# Altium PCB cyber60-smk-B2.PcbDoc (part 4 of 4)
Units mm, origin at the board's own origin, x right, y up, seen from the top; angles counter-clockwise.
Board outline 284.7 x 94.21 mm, 2 copper layers (Component Side, Bottom Layer), stack 1.571 mm thick; 221 components, 135 nets, 913 pads, 306 vias.
Unrouted connection lines stored in the file: 51.
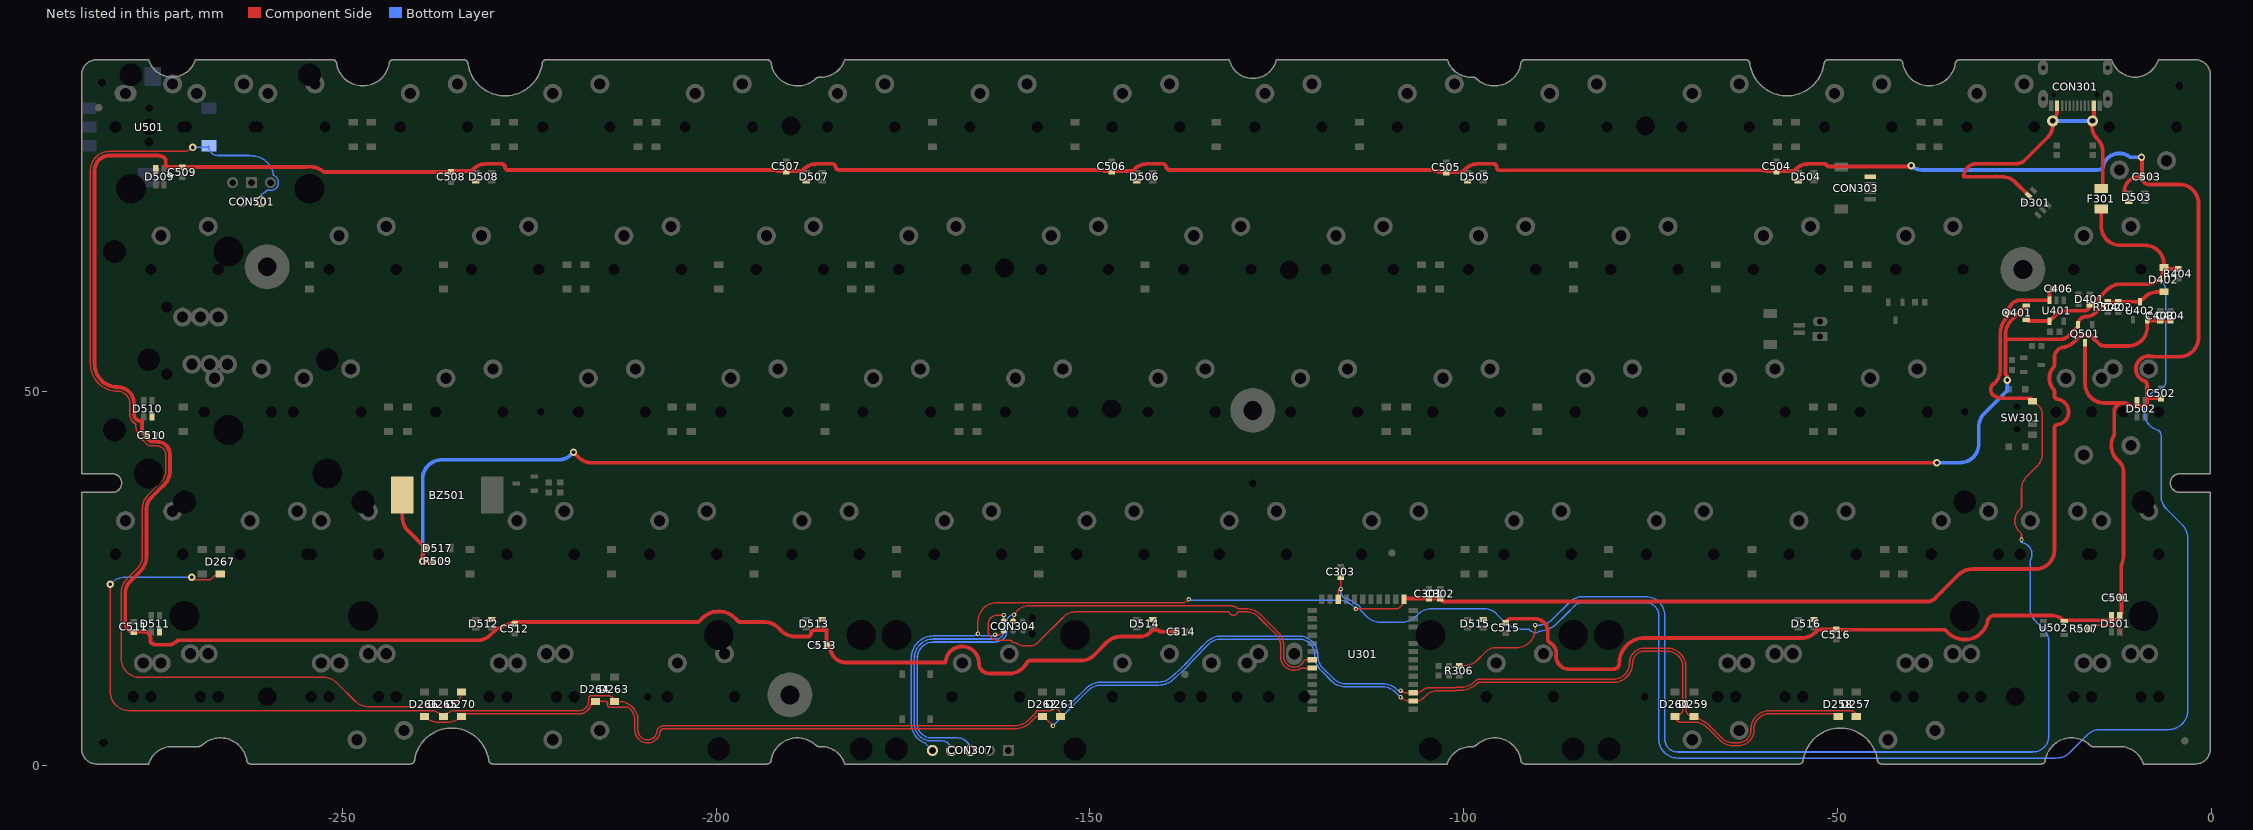
[diagram p4: the nets of this part, all layers, seen from the top]

## Via types
v1: diameter 1, hole 0.5, Component Side to Bottom Layer, tented both sides, 161 vias
v2: diameter 0.6, hole 0.3, Component Side to Bottom Layer, tented both sides, 139 vias
v3: diameter 1.5, hole 0.8, Component Side to Bottom Layer, tented both sides, 4 vias
v4: diameter 1.5, hole 0.75, Component Side to Bottom Layer, tented both sides, 2 vias

## Nets (pads, with @x,y where several pads share a name; then routed paths per layer and width w, separated by ;. In a path a pad name is that pad's centre, name@x,y a point inside that pad or via, vN(x,y) a via of type N, cw(c..) or ccw(c..) an arc to the next point about the centre after c; other vN are vias at no path point) (continued)
P1.10: D257.2 D259.2 D261.2 D263.2 D265.2 D267.2 U301.3 | length 295.4
  Component Side w0.203: v1(-281.051,24.257) -281.051,9.902 ccw(c-278.511,9.902) -278.511,7.362 -238.308,7.362 cw(c-238.308,4.822) -236.512,6.618 D265.2@-236.474,6.58 -236.414,6.64 cw(c-234.671,4.897) -234.671,7.362 -218.284,7.362 ccw(c-218.284,8.58) -217.066,8.58 -217.066,9.035 cw(c-216.764,9.035) -216.764,9.337 -214.371,9.337 cw(c-214.371,8.58) D263.2@-213.614,8.58 -212.99,8.58 cw(c-212.99,6.04) -210.45,6.04 -210.45,4.715 ccw(c-209.169,4.715) -207.916,4.449 cw(c-207.031,4.449) -207.889,4.666 cw(c-207.031,4.449) -207.031,5.334 -160.027,5.334 ccw(c-160.027,7.874) -158.231,6.078 -157.292,7.017 ccw(c-157.436,7.16) -157.274,7.038 ccw(c-157.436,7.16) -157.239,7.11 cw(c-156.947,7.035) -157.019,7.328 ccw(c-157.068,7.525) -156.953,7.358 -156.948,7.361 -155.326,7.361 ccw(c-155.326,7.747) v2(-154.94,7.747) cw(c-154.94,6.731) -153.924,6.731 D261.2@-153.924,6.58 ; v1(-270.117,25.196) ccw(c-269.278,26.035) -269.413,24.856 ccw(c-269.278,26.035) -269.278,24.848 -267.97,24.848 ccw(c-267.97,25.662) -267.395,25.086 -267.081,25.4 cw(c-266.526,24.845) -266.526,25.63 D267.2@-266.319,25.63 ; v2(-108.458,10.033) ccw(c-107.775,10.716) -107.775,9.75 U301.3@-107.25,9.75 ; U301.3@-106.75,9.75 -106.249,9.75 ccw(c-106.249,10.716) -105.566,10.033 cw(c-104.567,9.034) -105.179,10.307 cw(c-104.567,9.034) -104.567,10.447 -101.473,10.447 -101.092,10.447 ccw(c-101.092,10.85) -101.091,10.447 ccw(c-101.092,10.85) -101.018,10.454 cw(c-100.981,10.254) -100.98,10.457 -100.562,10.457 ccw(c-100.562,13.567) -98.969,10.896 ccw(c-100.562,13.567) -98.362,11.369 -98.255,11.475 cw(c-98.112,11.332) -98.196,11.516 cw(c-98.112,11.332) -98.112,11.535 -80.01,11.535 ccw(c-80.01,13.715) -78.468,12.174 ccw(c-80.01,13.715) -77.83,13.715 cw(c-75.819,13.715) -77.733,14.332 ccw(c-77.926,14.396) -77.733,14.333 cw(c-75.819,13.715) -75.944,15.722 ; -75.944,15.722 cw(c-75.819,13.715) -75.659,15.72 ccw(c-75.519,17.585) -75.519,15.715 -72.633,15.715 cw(c-72.632,15.511) -72.614,15.714 cw(c-72.822,13.182) -70.282,13.182 -70.282,7.492 ccw(c-69.37,7.492) -69.37,6.58 D259.2@-69.215,6.58 -68.425,6.184 cw(c-68.605,5.823) -68.416,6.18 -67.866,5.89 cw(c-69.233,3.283) -67.152,5.365 -67.025,5.238 -65.882,4.095 -65.483,3.696 ccw(c-63.972,5.207) -63.972,3.07 -63.224,3.07 ccw(c-63.224,4.445) -62.465,3.298 cw(c-62.353,3.129) -62.445,3.31 ccw(c-63.15,4.715) -61.611,4.396 ccw(c-63.15,4.715) -61.6,4.978 cw(c-61.4,5.012) -61.602,5.029 cw(c-59.071,4.822) -59.071,7.362 -48.28,7.362 cw(c-48.28,6.58) D257.2@-47.498,6.58
  Bottom Layer w0.203: v1@-280.856,24.452 cw(c-279.06,22.656) -279.06,25.196 v1(-270.117,25.196) ; v2(-154.94,7.747) -154.153,7.747 ccw(c-154.153,10.287) -152.357,8.491 -150.534,10.315 cw(c-148.453,8.233) -148.453,11.176 -140.814,11.176 ccw(c-140.814,13.716) -139.018,11.92 -138.776,12.14 -137.685,13.127 ccw(c-139.35,14.965) -137.545,13.264 -137.195,13.636 -135.533,15.397 -135.311,15.627 cw(c-135.165,15.486) -135.309,15.63 -134.467,16.471 cw(c-132.387,14.389) -132.387,17.332 -122.047,17.332 cw(c-122.047,14.792) -119.507,14.792 -119.507,14.605 ccw(c-117.361,14.605) -118.879,13.087 -117.361,11.57 ccw(c-115.85,13.081) -117.348,11.557 ccw(c-115.85,13.081) -115.85,10.944 -110.843,10.944 cw(c-110.843,8.156) -108.871,10.127 -108.836,10.092 ccw(c-108.693,10.236) -108.693,10.033 v2(-108.458,10.033)
P1.11: D258.2 D260.2 D262.2 D264.2 D266.2 D270.2 U301.2 | length 223.3
  Component Side w0.203: D266.2@-239.014,6.58 -238.976,6.542 ccw(c-237.18,8.338) -237.18,5.798 -235.895,5.798 ccw(c-235.895,8.338) -234.099,6.542 D270.2@-234.061,6.58 cw(c-233.402,6.58) -234.01,6.835 cw(c-233.823,6.756) -233.822,6.959 -218.085,6.959 ccw(c-218.085,7.874) -217.549,7.132 cw(c-217.43,6.968) -217.525,7.147 ccw(c-218.284,8.58) -216.914,7.712 ccw(c-218.284,8.58) -216.686,8.302 cw(c-216.486,8.267) -216.606,8.431 cw(c-216.154,7.82) D264.2@-216.154,8.58 -214.729,8.58 cw(c-214.729,8.377) -214.526,8.377 -214.526,8.125 ccw(c-214.224,8.125) -214.224,7.823 -211.912,7.823 cw(c-211.912,6.604) -211.867,7.823 cw(c-211.875,7.619) -211.757,7.785 cw(c-212.99,6.04) -210.915,6.55 cw(c-212.99,6.04) -210.853,6.04 -210.853,4.715 ccw(c-209.169,4.715) -210.762,4.167 ccw(c-209.169,4.715) -207.549,4.255 ccw(c-209.169,4.715) -207.521,4.366 ccw(c-207.916,4.449) -207.513,4.449 cw(c-207.031,4.449) -207.473,4.641 cw(c-207.287,4.559) -207.457,4.671 cw(c-206.977,4.359) -206.977,4.931 -160.027,4.931 ccw(c-160.027,7.874) -159.215,5.045 -159.212,5.046 ccw(c-160.027,7.874) -157.945,5.794 -157.232,6.506 cw(c-157.089,6.363) -157.11,6.565 cw(c-156.833,4.04) -156.833,6.58 D262.2@-156.337,6.58 -156.182,6.58 v2(-154.94,5.338) ; v2(-108.458,9.144) ccw(c-107.265,10.337) -107.265,8.65 -106.296,8.65 ccw(c-106.296,9.903) -105.41,9.017 -105.127,9.3 cw(c-103.331,7.504) -104.446,9.786 cw(c-103.331,7.504) -103.331,10.044 -100.964,10.044 ; -100.964,10.054 -100.562,10.054 ccw(c-100.562,13.567) -98.946,10.447 ccw(c-100.562,13.567) -98.088,11.073 cw(c-97.945,10.928) -97.944,11.132 -80.01,11.132 ccw(c-80.01,13.715) -78.183,11.889 ccw(c-80.01,13.715) -77.427,13.715 cw(c-75.819,13.715) -77.35,14.207 cw(c-75.819,13.715) -75.637,15.313 ; -76.233,15.269 cw(c-75.819,13.715) -75.637,15.313 ; -68.605,5.823 -69.233,5.823 ; -62.244,2.96 ccw(c-62.151,2.779) -62.261,2.95 cw(c-63.224,4.445) -63.224,2.667 -63.972,2.667 cw(c-63.972,5.207) -65.768,3.411 -67.436,5.079 ccw(c-69.233,3.283) -69.233,5.823 ; -62.244,2.96 ccw(c-63.15,4.715) -61.743,3.328 ccw(c-63.15,4.715) -61.195,4.996 cw(c-60.994,5.025) -61.196,5.046 cw(c-59.071,4.822) -59.071,6.959 -50.15,6.959 cw(c-50.149,6.756) -49.962,6.833 cw(c-50.57,6.58) D258.2@-49.911,6.58 ; -75.637,15.313 ccw(c-75.614,15.515) -75.636,15.313 ccw(c-75.614,15.515) -75.614,15.311 -74.076,15.311 -72.65,15.311 cw(c-72.649,15.108) -72.631,15.311 cw(c-72.822,13.182) -71.934,15.126 cw(c-72.822,13.182) -70.988,14.278 cw(c-72.822,13.182) -70.685,13.182 -70.685,7.65 cw(c-71.755,7.65) -71.587,6.593 cw(c-71.755,7.65) D260.2@-71.755,6.58 ccw(c-70.998,6.58) -70.998,5.823 -69.233,5.823
  Bottom Layer w0.203: v2(-154.94,5.338) -150.249,10.029 cw(c-148.453,8.233) -148.453,10.773 -140.814,10.773 ccw(c-140.814,13.716) -139.963,10.899 -139.959,10.9 ccw(c-140.814,13.716) -139.239,11.23 ccw(c-140.814,13.716) -138.812,11.559 -138.626,11.731 -137.694,12.575 -137.415,12.828 ccw(c-139.35,14.965) -137.251,12.988 -136.071,14.24 -134.183,16.185 cw(c-132.387,14.389) -132.387,16.929 -122.047,16.929 cw(c-122.047,14.792) -120.566,16.333 cw(c-122.047,14.792) -119.91,14.792 -119.91,14.605 ccw(c-117.361,14.605) -119.166,12.805 ccw(c-117.361,14.605) -119.163,12.802 -118.903,12.542 -117.646,11.285 ccw(c-115.85,13.081) -115.85,10.541 -110.843,10.541 cw(c-110.843,8.156) -109.157,9.842 v2(-108.458,9.144)
RAW: CON301.A4B9 CON301.B4A9 CON303.1 D301.5 F301.2 | length 43.1
  Component Side w0.5: D301.5@-24.467,76.283 -26.19,78.006 ccw(c-27.986,76.21) -27.986,78.75 cw(c-27.986,79.25) -28.013,78.751 -28.903,78.8 ccw(c-28.956,77.851) -28.972,78.801 -32.258,78.75 -33.125,78.75 cw(c-31.357,78.75) -31.357,80.518 -26.035,80.518 ccw(c-26.035,82.051) -24.951,80.967 -21.953,83.965 ccw(c-23.749,85.761) -21.209,85.761 v4(-21.209,86.233) ccw(c-22.559,87.583) -20.65,87.583 CON301.B4A9@-20.65,88 ; v4@-16.002,85.634 ccw(c-13.462,85.634) -15.258,83.838 cw(c-17.033,82.063) -14.523,82.063 -14.523,77.378 cw(c-14.732,77.378) F301.2@-14.732,77.169 ; v4@-15.7,86.535 CON301.A4B9@-15.7,88
  Bottom Layer w0.5: v4(-21.209,86.233) v4@-16.002,86.233
  other v4: -15.9,86.233
ROT_SW_A1: CON501.1 D270.1 U501.1 | length 156.2
  Component Side w0.203: -280.257,50.077 cw(c-280.035,53.721) -280.655,50.123 cw(c-280.035,53.721) -282.092,50.704 cw(c-280.035,53.721) -283.131,51.786 cw(c-280.035,53.721) -283.686,53.721 -283.686,79.61 cw(c-281.146,79.61) -281.146,82.15 -271.275,82.15 ccw(c-271.275,83.95) v1(-270.002,82.677) ; -280.256,50.076 cw(c-280.269,49.874) -280.209,50.068 -279.961,50.068 cw(c-279.96,49.865) -279.948,50.067 cw(c-280.035,48.466) -278.432,48.504 cw(c-280.035,48.466) -278.432,48.466 -278.432,46.99 ccw(c-276.996,46.99) -278.141,46.124 ccw(c-276.996,46.99) -277.749,45.768 ccw(c-276.996,46.99) -277.711,45.745 cw(c-277.812,45.569) -277.622,45.641 -277.622,45.515 ccw(c-275.082,45.515) -276.878,43.719 -276.779,43.62 cw(c-276.922,43.475) -276.757,43.594 ccw(c-276.513,43.771) -276.69,43.527 cw(c-276.809,43.362) -276.665,43.505 -276.304,43.145 ccw(c-275.355,44.094) -275.355,42.751 -274.725,42.751 cw(c-274.725,41.632) -274.466,42.721 cw(c-274.725,41.632) -273.817,42.287 cw(c-274.725,41.632) -273.606,41.632 -273.606,39.406 cw(c-275.59,39.406) -274.188,38.002 -275.989,36.201 ccw(c-274.193,34.405) -276.733,34.405 -276.733,28.103 cw(c-279.273,28.103) -277.477,26.307 -278.831,24.953 ccw(c-277.035,23.157) -279.575,23.157 -279.575,14.329 ccw(c-277.035,14.329) -277.035,11.789 -254.323,11.789 ccw(c-254.323,13.715) -254.299,11.789 -252.516,11.811 cw(c-252.512,11.608) -252.512,11.811 cw(c-252.512,9.271) -250.716,11.067 -248.267,8.618 ccw(c-246.471,10.414) -246.471,7.874 -236.037,7.874 ccw(c-236.037,9.85) D270.1@-234.061,9.85
  Bottom Layer w0.203: v1(-270.002,82.677) -268.082,82.677 ccw(c-268.082,82.915) U501.1@-267.844,82.915 ccw(c-266.336,82.915) -267.839,82.794 ccw(c-266.649,82.794) -267.53,81.994 ccw(c-266.649,82.794) -266.65,81.604 ; -266.649,81.604 -262.488,81.604 cw(c-262.488,81.401) -262.467,81.603 -261.834,81.538 cw(c-262.128,78.61) -259.618,80.147 cw(c-262.128,78.61) -259.205,78.958 cw(c-259.588,77.978) -258.568,77.723 cw(c-259.588,77.978) -259.522,76.928 cw(c-259.588,77.978) -259.902,76.974 ccw(c-259.963,76.781) -260.02,76.976 -260.025,76.971 cw(c-262.105,79.053) -260.761,76.435 ccw(c-260.668,76.254) -260.858,76.327 CON501.1@-260.858,75.438
SWDCLK: CON304.4 CON307.3 U301.31 | length 81.5
  Component Side w0.203: CON304.4@-160.274,19.304 cw(c-158.18,19.304) -158.18,21.398 -131.312,21.398 cw(c-131.312,20.493) -130.942,21.319 ccw(c-130.858,21.504) -130.846,21.302 cw(c-130.81,20.701) -130.385,21.126 ccw(c-130.021,21.49) -130.191,21.005 ccw(c-130.123,21.196) -130.109,20.993 cw(c-130.068,20.388) -130.067,20.995 -129.208,20.995 cw(c-129.208,18.052) -128.874,20.976 ; -128.874,20.976 cw(c-129.208,18.052) -127.127,20.133 -126.585,19.592 -125.979,18.986 -125.449,18.455 cw(c-125.592,18.311) -125.447,18.454 -124.807,17.814 cw(c-126.576,16.045) -124.075,16.045 -124.075,14.565 ccw(c-122.673,14.565) -122.246,13.23 ccw(c-122.673,14.565) -121.38,14.025 cw(c-121.192,13.947) -121.191,14.15 U301.31@-120.25,14.15
  Bottom Layer w0.203: -173.076,11.557 -173.076,14.396 cw(c-170.939,14.396) -172.77,15.498 cw(c-170.939,14.396) -170.939,16.533 -162.856,16.533 cw(c-162.855,16.33) -162.826,16.531 ccw(c-162.687,17.526) -162.542,16.532 cw(c-162.513,16.331) -162.52,16.534 ccw(c-162.569,17.964) -161.764,16.781 ccw(c-162.569,17.964) -161.267,17.369 cw(c-161.083,17.284) -161.255,17.391 ccw(c-161.925,17.805) -161.138,17.805 -161.138,19.202 cw(c-160.147,19.202) v2(-160.147,20.193) ; -173.076,11.961 -173.076,5.585 ccw(c-171.196,5.585) -171.196,3.705 -167.662,3.705 cw(c-167.662,2.032) CON307.3@-165.989,2.032
SWDIO: CON304.2 CON307.4 U301.32 | length 87.9
  Component Side w0.203: CON304.2@-161.544,19.304 -161.541,19.307 v2(-161.541,20.13) -162.407,20.13 ccw(c-162.407,18.923) -163.613,18.923 -163.613,18.071 ccw(c-162.306,18.071) -162.931,16.923 ccw(c-162.306,18.071) -162.596,16.797 ccw(c-162.306,18.071) -162.306,16.764 -160.683,16.764 cw(c-160.682,16.561) -160.515,16.676 ccw(c-160.02,17.018) -159.965,16.419 cw(c-159.946,16.217) -159.828,16.382 ccw(c-158.645,18.034) -158.645,16.002 -158.052,16.002 ccw(c-158.052,17.534) -156.969,16.451 -153.572,19.848 cw(c-151.776,18.052) -151.776,20.592 -131.553,20.592 ; -131.551,20.592 cw(c-131.552,20.388) -131.364,20.467 ccw(c-130.81,20.701) -131.236,20.276 ccw(c-130.81,20.701) -131.235,20.275 ccw(c-130.81,20.701) -130.81,20.099 ccw(c-130.81,20.701) -130.242,20.503 -130.211,20.533 cw(c-130.068,20.388) -130.067,20.592 -129.208,20.592 cw(c-129.208,18.052) -127.412,19.848 -126.553,18.989 -125.966,18.402 -125.092,17.528 cw(c-126.576,16.045) -124.486,16.231 -124.486,14.504 ccw(c-123.571,14.504) -124.453,14.259 cw(c-124.649,14.205) -124.449,14.242 ccw(c-122.673,14.565) -123.895,13.237 ccw(c-122.673,14.565) -122.123,12.846 ccw(c-122.673,14.565) -121.739,13.021 cw(c-121.634,12.847) -121.633,13.05 U301.32@-120.25,13.05 cw(c-120.473,13.05) U301.32@-120.473,12.827
  Bottom Layer w0.203: CON307.4@-168.529,2.032 ccw(c-169.799,2.032) -169.799,3.302 -171.196,3.302 cw(c-171.196,5.585) -173.479,5.585 -173.479,11.557 -173.479,12.827 -173.479,14.396 cw(c-170.939,14.396) -170.939,16.936 -162.825,16.936 cw(c-162.824,16.733) -162.79,16.933 ccw(c-162.687,17.526) -162.569,16.936 ccw(c-162.569,17.964) -161.541,17.964 v2(-161.541,20.13)
UG_OUT: D501.4 R507.1 | length 5.3
  Component Side w0.203: R507.1@-16.368,18.288 cw(c-15.142,17.062) -15.142,18.796 -13.446,18.796 cw(c-13.446,17.36) -12.01,17.36
VBAT: C406.2 Q401.3 R306.1 SW301.1 U401.3 | length 178.2
  Component Side w0.203: R306.1@-100.584,13.35 -99.994,13.35 ccw(c-99.994,15.89) -98.198,14.094 -97.168,15.125 cw(c-95.643,13.715) -96.949,15.329 cw(c-95.643,13.715) -95.409,15.778 ; -95.888,15.777 cw(c-95.643,13.715) -95.409,15.778 ; v2(-90.424,18.796) -90.424,18.317 cw(c-92.964,18.317) -92.964,15.777 -95.386,15.777 cw(c-95.386,15.98) -95.407,15.778 cw(c-95.386,15.98) -95.409,15.778 ; v2(-25.4,30.226) -25.4,30.963 ccw(c-25.603,30.964) -25.479,31.124 cw(c-24.206,32.765) -25.479,34.406 ccw(c-25.603,34.566) -25.4,34.567 -25.4,36.921 cw(c-22.86,36.921) -24.656,38.717 -23.35,40.023 ccw(c-25.146,41.819) -22.606,41.819 -22.606,47.008 ccw(c-24.161,47.008) SW301.1@-24.161,48.563
  Component Side w0.5: -29.305,49.684 ccw(c-28.575,50.292) -29.03,49.458 ; -28.989,51.152 -28.999,51.146 cw(c-29.281,51.559) -29.036,51.123 cw(c-29.281,51.559) -29.037,51.122 ccw(c-28.575,50.292) -29.425,50.717 ccw(c-28.575,50.292) -29.03,49.458 ; -28.989,51.153 ccw(c-30.785,52.949) -28.245,52.949 -28.245,57.71 cw(c-25.005,57.71) -27.321,59.976 ccw(c-27.678,60.326) -27.178,60.327 Q401.3@-27.178,60.579 cw(c-25.503,60.579) -25.503,62.254 -21.689,62.254 cw(c-21.689,62.216) U401.3@-21.651,62.216 -21.651,63.2 cw(c-21.097,63.2) C406.2@-21.097,63.754 ; SW301.1@-23.925,48.75 ccw(c-24.324,48.75) -24.324,49.149 -28.014,49.149 cw(c-28.014,50.975) -29.03,49.458
  Bottom Layer w0.203: v2(-90.424,18.796) -89.952,18.796 ccw(c-89.952,21.336) -88.156,19.54 -85.834,21.862 cw(c-84.038,20.066) -84.038,22.606 -75.648,22.606 cw(c-75.648,20.066) -73.108,20.066 -73.108,15.113 -73.108,12.562 -73.108,7.366 -73.108,3.556 ccw(c-71.374,3.556) -73.008,2.976 ccw(c-71.374,3.556) -73.007,2.975 ccw(c-71.374,3.556) -72.54,2.273 ccw(c-71.374,3.556) -71.374,1.822 -23.876,1.822 ccw(c-23.876,3.959) -22.7,2.175 ccw(c-23.876,3.959) -21.739,3.959 -21.739,16.502 ccw(c-24.265,16.502) -22.479,18.288 -23.513,19.322 cw(c-21.717,21.118) -24.257,21.118 -24.257,27.349 cw(c-24.054,27.349) -24.227,27.455 ccw(c-25.556,28.265) -24.231,29.081 ccw(c-25.556,28.265) -24.232,29.082 ccw(c-25.556,28.265) -25.239,29.789 cw(c-25.197,29.988) -25.4,29.972 v2(-25.4,30.226)
VBUS: C303.2 D401.1 D402.1 F301.1 Q401.1 R404.1 U301.22 U401.4 | length 243.3
  Component Side w0.203: U301.22@-116.8,22.25 -116.8,23.281 cw(c-116.459,23.281) v2(-116.459,23.622) C303.2@-116.459,25.258
  Component Side w0.5: Q401.1@-24.778,59.629 ccw(c-24.384,60.023) -24.751,59.604 ccw(c-24.384,60.023) -24.384,59.466 U401.4@-21.651,59.466 -21.028,60.089 cw(c-19.232,58.293) -20.665,60.39 cw(c-19.232,58.293) -19.232,60.833 -17.018,60.833 ccw(c-17.018,61.595) -16.597,60.96 ccw(c-17.018,61.595) -16.256,61.595 D401.1@-16.256,61.707 ccw(c-16.256,62.591) -15.631,61.966 -13.952,63.645 cw(c-12.156,61.849) -12.156,64.389 -8.604,64.389 ccw(c-8.604,66.643) D402.1@-6.35,66.643 ; U401.4@-21.676,59.437 U401.4@-21.651,59.412 ; F301.1@-14.732,74.469 -14.732,72.136 ccw(c-12.192,72.136) -12.192,69.596 -8.89,69.596 cw(c-8.89,67.056) -6.35,67.056 D402.1@-6.35,66.643 ; R404.1@-4.445,66.42 -6.127,66.42 cw(c-6.127,66.643) D402.1@-6.35,66.643
  Bottom Layer w0.203: v2(-116.459,23.622) -116.459,23.353 ccw(c-115.286,23.353) -116.064,22.475 ccw(c-115.928,22.627) -115.973,22.429 cw(c-116.622,19.558) -115.287,22.181 cw(c-116.622,19.558) -115.286,22.181 cw(c-116.622,19.558) -115.136,22.098 cw(c-116.622,19.558) -115.135,22.098 cw(c-116.622,19.558) -114.542,21.64 -114.516,21.614 ccw(c-114.372,21.758) -114.386,21.555 cw(c-114.427,20.955) -113.828,20.896 ccw(c-113.626,20.876) -113.77,20.732 -112.958,19.921 ccw(c-111.162,21.717) -111.162,19.177 -108.24,19.177 ccw(c-108.24,21.717) -106.444,19.921 -106.132,20.233 cw(c-104.336,18.437) -104.336,20.977 -97.189,20.977 cw(c-97.189,18.84) -95.677,20.35 -94.75,19.423 -94.45,19.124 ccw(c-92.373,21.209) -92.373,18.266 -91.385,18.266 cw(c-91.384,18.063) -91.222,18.186 ccw(c-90.424,18.796) -89.865,17.961 cw(c-89.752,17.792) -89.764,17.995 ccw(c-89.952,21.336) -87.587,18.969 -86.234,20.321 -85.263,21.293 cw(c-84.038,20.066) -84.038,21.8 -75.811,21.8 cw(c-75.811,19.26) -74.907,21.633 cw(c-75.648,20.066) -73.996,20.594 cw(c-75.648,20.066) -73.914,20.066 -73.914,3.556 ccw(c-71.374,3.556) -71.374,1.016 -20.737,1.016 ccw(c-20.737,3.556) -18.941,1.76 -16.619,4.082 cw(c-14.823,2.286) -14.823,4.826 -5.715,4.826 ccw(c-5.715,7.366) -3.175,7.366 -3.175,30.444 ccw(c-5.715,30.444) -3.919,32.24 -5.987,34.308 cw(c-4.191,36.104) -6.731,36.104 -6.731,44.16 ccw(c-7.632,44.16) -7.027,44.827 ccw(c-7.164,44.677) -7.117,44.875 cw(c-6.552,47.246) -7.124,44.877 cw(c-6.552,47.246) -7.632,45.061 ; -7.125,44.877 cw(c-6.552,47.246) -8.743,46.179 cw(c-6.552,47.246) -8.989,47.234 ccw(c-9.192,47.233) -8.989,47.241 cw(c-7.031,47.315) -8.991,47.315 cw(c-7.031,47.315) -8.989,47.388 ccw(c-9.193,47.396) -8.989,47.397 -8.989,47.473 ccw(c-9.193,47.473) -8.991,47.497 -8.991,47.811 ccw(c-9.182,47.879) -8.98,47.862 cw(c-6.046,47.625) -8.223,49.605 cw(c-6.046,47.625) -7.034,50.397 cw(c-6.046,47.625) -7.033,50.398 cw(c-6.046,47.625) -6.857,50.454 cw(c-6.046,47.625) -6.856,50.455 cw(c-6.046,47.625) -6.651,50.505 ccw(c-6.693,50.704) -6.613,50.518 ccw(c-6.959,51.308) -6.096,51.308 -6.096,63.491 ccw(c-8.264,63.491) v2@-6.731,65.024
  other v2: -6.858,65.151
VCC3V3: C301.2 C302.2 C403.2 C404.2 CON304.1 CON307.5 U301.14 U402.2 | length 227.2
  Component Side w0.203: v2(-164.973,17.653) -164.973,19.261 cw(c-162.433,19.261) -162.433,21.801 -140.081,21.801 -137.382,21.801 ccw(c-137.382,22.004) -137.278,21.83 ccw(c-138.593,24.003) -136.797,22.207 v2(-136.779,22.225) ; v2@-162.56,17.399 ccw(c-162.56,18.319) -162.194,17.475 ccw(c-162.56,18.319) -161.91,17.668 CON304.1@-161.544,18.034 ; v2(-114.427,20.955) -109.295,20.955 ccw(c-109.295,22.25) U301.14@-108,22.25
  Component Side w0.5: -20.996,32.512 -20.996,41.402 -20.996,41.783 -20.996,41.785 -20.996,45.13 cw(c-20.496,45.13) -20.564,45.626 ccw(c-20.794,47.315) -20.564,49.004 cw(c-20.496,49.5) -20.996,49.5 -20.996,50.021 ccw(c-21.496,50.023) -21.12,50.352 cw(c-19.444,51.815) -21.12,53.278 ccw(c-21.496,53.607) -20.996,53.609 -20.996,54.571 cw(c-19.572,54.571) -20.084,55.9 cw(c-19.905,55.433) -19.952,55.931 ccw(c-20.193,58.508) -19.573,55.995 ccw(c-20.193,58.508) -19.572,55.995 ccw(c-20.193,58.508) -18.365,56.675 ccw(c-20.193,58.508) -18.364,56.677 -18.254,56.786 -17.822,57.219 cw(c-17.059,56.457) -17.376,57.487 ccw(c-17.524,57.965) -17.335,57.502 cw(c-17.166,57.085) -17.166,57.535 -16.613,57.535 cw(c-16.613,56.412) -15.819,57.206 -15.057,56.444 ccw(c-14.322,57.179) -14.322,56.14 -11.115,56.14 ccw(c-11.115,58.68) -8.575,58.68 U402.2@-8.575,59.633 ccw(c-8.474,59.633) -8.474,59.532 C403.2@-6.858,59.532 C404.2@-5.461,59.532 C404.2@-5.303,59.532
  Component Side w0.508: U301.14@-108,22.25 cw(c-107.913,22.25) -107.913,22.337 C301.2@-104.648,22.337 C302.2@-103.124,22.337 ccw(c-102.632,22.462) -102.632,21.954 -100.33,21.954 -37.889,21.954 ccw(c-37.889,23.132) -37.056,22.299 -37.053,22.302 -36.713,22.642 -36.267,23.088 ccw(c-36.626,23.447) -36.257,23.098 cw(c-32.994,20.01) -35.966,23.379 -33.8,25.545 cw(c-32.004,23.749) -32.004,26.289 -23.536,26.289 ccw(c-23.536,28.829) -20.996,28.829 -20.996,32.512
  Bottom Layer w0.203: -173.534,15.785 cw(c-170.939,14.396) -173.121,16.371 cw(c-170.939,14.396) -170.939,17.339 -165.73,17.339 ccw(c-165.73,18.41) v2(-164.973,17.653) ccw(c-164.216,18.41) -164.217,17.339 ccw(c-164.216,18.41) -164.216,17.339 -162.983,17.339 ccw(c-162.983,17.542) -162.869,17.375 ccw(c-163.607,18.446) -162.835,17.399 ccw(c-163.607,18.446) v2(-162.687,17.526) ; -173.507,15.833 ccw(c-170.939,14.396) -173.882,14.4 ccw(c-170.939,14.396) -173.882,14.396 -173.882,13.589 -173.882,5.585 ccw(c-171.196,5.585) -172.747,3.392 ccw(c-171.196,5.585) -172.129,3.066 cw(c-172.2,2.876) -172.056,3.019 CON307.5@-171.069,2.032 ; -136.462,22.098 -116.622,22.098 cw(c-116.622,19.558) -114.826,21.354 v2(-114.427,20.955)
VCC_EXT: C501.2 C502.2 C503.2 C504.2 C505.2 C506.2 C507.2 C508.2 C509.2 C510.2 C511.2 C512.2 C513.2 C514.2 C515.2 C516.2 D501.1 D502.1 D503.1 D504.1 D505.1 D506.1 D507.1 D508.1 D509.1 D510.1 D511.1 D512.1 D513.1 D514.1 D515.1 D516.1 Q501.3 U502.5 | length 692.2
  Component Side w0.508: C508.2@-235.458,79.39 C508.2@-235.851,79.39 ; -185.227,18.21 -185.227,18.127 ; -151.257,14.046 -157.982,14.046 ccw(c-157.984,13.538) -158.436,13.769 cw(c-160.781,14.965) -158.513,13.629 cw(c-160.781,14.965) -159.164,12.888 cw(c-160.781,14.965) -160.907,12.336 ccw(c-160.931,11.829) -160.933,12.337 -163.477,12.337 cw(c-163.477,13.711) -164.852,13.71 cw(c-163.477,13.711) -164.852,13.711 ccw(c-167.081,13.715) -165.22,14.941 ccw(c-167.081,13.715) -168.847,15.075 ccw(c-167.081,13.715) -169.298,13.949 cw(c-169.803,14.002) -169.339,13.795 -182.651,13.795 cw(c-182.651,15.875) -184.705,15.548 cw(c-182.651,15.875) -184.721,15.675 ccw(c-185.227,15.627) C513.2@-185.151,16.129 cw(c-184.968,16.312) -185.227,16.312 -185.227,18.127 ; -151.217,14.046 ccw(c-151.217,16.586) -149.421,14.79 -147.699,16.512 cw(c-145.903,14.716) -147.683,16.528 cw(c-145.903,14.716) -145.903,17.256 -143.313,17.256 ccw(c-143.313,19.195) -141.942,17.824 cw(c-141.01,16.892) -141.142,18.203 cw(c-141.01,16.892) -141.01,18.21 ccw(c-140.278,18.942) -140.278,17.907 C514.2@-138.445,17.907 ; -144.29,79.54 -147.066,79.54 -148.051,79.54 cw(c-148.051,80.048) -148.052,79.54 cw(c-148.051,80.048) -148.197,79.562 ccw(c-148.911,77.195) -148.911,79.667 -149.225,79.667 -183.525,79.667 cw(c-183.525,80.175) -184.027,80.104 ccw(c-184.477,80.04) -184.477,80.494 -186.501,80.494 ccw(c-186.501,77.954) -188.297,79.75 -188.507,79.54 -190.627,79.54 -191.712,79.54 cw(c-191.712,80.048) -191.714,79.54 cw(c-191.712,80.048) -191.866,79.564 ccw(c-192.531,77.471) -192.531,79.667 -227.973,79.667 cw(c-227.734,80.115) -228.24,80.075 ccw(c-228.693,80.04) -228.693,80.494 -230.717,80.494 ccw(c-230.717,77.954) -232.513,79.75 -232.723,79.54 -235.096,79.54 ccw(c-235.096,77.562) C508.2@-235.851,79.39 ; -144.08,79.75 cw(c-142.284,77.954) -142.284,80.494 -140.26,80.494 cw(c-140.26,80.04) -139.81,80.104 ccw(c-139.308,80.175) -139.308,79.667 -108.712,79.667 -104.428,79.667 cw(c-104.428,77.164) -103.641,79.54 cw(c-104.428,77.164) -103.327,79.412 ccw(c-103.104,79.868) -103.104,79.36 C505.2@-102.362,79.36 -100.508,79.36 ccw(c-100.508,79.975) -100.073,79.54 ; -99.863,79.75 cw(c-98.067,77.954) -98.067,80.494 -96.043,80.494 cw(c-96.043,80.04) -95.589,80.05 ccw(c-95.081,80.061) -95.367,79.642 -60.232,79.642 cw(c-60.232,77.164) -59.591,79.557 ccw(c-59.46,80.048) -59.462,79.54 ccw(c-59.46,80.048) -59.46,79.54 -58.166,79.54 -55.857,79.54 ; C515.2@-94.361,19.065 cw(c-93.793,19.065) -93.793,19.633 -90.456,19.633 cw(c-90.456,17.95) -88.773,17.95 -88.773,17.018 -88.773,17.016 -88.773,16.918 ccw(c-88.265,16.919) -88.51,16.475 cw(c-89.343,14.965) -88.186,16.243 cw(c-89.343,14.965) -87.65,14.638 ccw(c-85.909,14.638) -85.909,12.897 -80.01,12.897 ccw(c-80.01,13.715) -79.534,13.05 ccw(c-80.01,13.715) -79.192,13.715 cw(c-75.819,13.715) -79.172,14.081 cw(c-75.819,13.715) -79.172,14.083 cw(c-75.819,13.715) -79.134,14.338 cw(c-75.819,13.715) -78.958,14.95 ccw(c-79.43,15.138) -78.957,14.952 cw(c-75.819,13.715) -78.711,15.451 cw(c-75.819,13.715) -76.099,17.077 ; -76.098,17.077 cw(c-75.819,13.715) -75.558,17.078 ccw(c-75.519,17.585) -75.519,17.077 -56.261,17.077 -54.763,17.077 ccw(c-54.763,19.617) -52.966,17.821 -52.577,18.21 -50.165,18.202 -37.338,18.162 -35.802,18.162 cw(c-35.801,17.654) -35.412,17.982 ccw(c-32.994,20.01) -30.262,18.43 cw(c-29.822,18.176) -30.261,18.432 ccw(c-32.994,20.01) -29.981,19.073 ccw(c-32.994,20.01) -29.98,19.075 ccw(c-32.994,20.01) -29.889,19.444 cw(c-29.39,19.352) -29.815,19.631 cw(c-28.959,19.073) -28.959,20.094 -21.467,20.094 cw(c-21.467,17.605) U502.5@-19.707,19.365 ccw(c-20.436,19.365) -19.71,19.431 -13.219,19.431 ccw(c-13.219,20.64) -13.127,19.435 cw(c-13.088,18.928) -13.09,19.436 ccw(c-13.09,19.89) -12.939,19.462 cw(c-12.77,18.983) -12.903,19.473 ccw(c-13.219,20.64) -12.01,20.64 C501.2@-12.01,22.439 ; -55.626,79.756 cw(c-53.844,77.974) -53.844,80.494 -51.827,80.494 cw(c-51.827,80.04) -51.468,80.318 ccw(c-51.066,80.629) -51.066,80.121 -44.831,80.121 -40.487,80.121 ccw(c-40.487,80.592) v1(-40.154,80.259) ; Q501.3@-16.891,56.585 -16.891,51.055 ccw(c-14.351,51.055) -14.351,48.515 -11.912,48.515 ccw(c-11.912,49.023) -11.878,48.516 ; C501.2@-12.05,22.479 -12.05,26.681 cw(c-11.542,26.681) -12.016,26.865 ccw(c-15.655,28.273) -11.753,28.273 -11.753,32.579 cw(c-11.245,32.579) -11.752,32.607 ccw(c-14.681,32.765) -11.753,32.936 -11.753,39.263 ccw(c-13.737,39.263) -11.796,39.674 ccw(c-13.737,39.263) -12.215,40.537 ccw(c-13.737,39.263) -12.335,40.668 -12.549,40.881 ccw(c-12.908,40.522) -12.561,40.893 cw(c-10.763,42.815) -13.389,42.988 cw(c-10.763,42.815) -13.062,44.096 ccw(c-13.506,44.343) -12.998,44.344 -12.998,47.315 cw(c-11.794,47.315) -12.62,48.191 cw(c-11.794,47.315) -11.878,48.516 ; -11.695,48.515 ccw(c-11.794,47.315) -11.877,48.516 cw(c-11.912,49.023) -11.878,48.516 ; -11.694,48.515 cw(c-11.794,47.315) -11.032,48.248 ccw(c-10.711,48.641) -10.711,48.133 -10.287,48.133 -8.61,48.133 -8.61,49.39 ; -11.64,76.79 cw(c-9.69,76.79) -9.69,78.74 C503.2@-9.286,78.74 ; v1@-9.286,81.359 C503.2@-9.286,78.74 ; C502.2@-6.731,49.134 -8.354,49.134 cw(c-8.354,49.39) -8.61,49.39 ; C508.2@-235.851,79.39 -252.264,79.39 cw(c-252.264,79.898) -252.575,79.496 ccw(c-254.381,77.16) -253.907,80.074 ccw(c-254.381,77.16) -254.819,80.08 cw(c-254.895,80.582) -254.821,80.08 cw(c-254.895,80.582) -254.895,80.074 -271.399,80.074 -273.294,80.074 cw(c-273.294,80.39) -273.61,80.39 -273.61,80.921 ccw(c-274.022,80.921) -273.731,81.212 ccw(c-274.652,80.291) -274.652,81.594 -281.146,81.594 ccw(c-281.146,79.61) -282.721,80.817 ccw(c-281.146,79.61) -283.131,79.61 -283.131,53.721 ccw(c-280.035,53.721) -280.035,50.625 cw(c-280.035,48.466) -277.876,48.466 -277.876,46.99 ccw(c-276.996,46.99) -276.996,46.11 -276.79,46.11 -276.79,44.873 ccw(c-276.113,44.873) C510.2@-276.113,44.196 ccw(c-275.224,44.196) -275.224,43.307 -274.725,43.307 cw(c-274.725,41.632) -273.05,41.632 -273.05,39.406 cw(c-275.59,39.406) -273.794,37.61 -274.383,37.02 -274.974,36.43 -275.595,35.809 ccw(c-274.193,34.405) -276.177,34.405 -276.177,28.103 cw(c-279.273,28.103) -276.964,26.041 cw(c-279.273,28.103) -277.083,25.915 -278.438,24.56 ccw(c-277.035,23.157) -279.019,23.157 -279.019,19.035 ccw(c-277.876,19.035) C511.2@-277.876,17.892 -276.322,17.892 cw(c-276.322,17.36) -275.79,17.36 cw(c-276.085,17.065) -275.668,17.065 -275.668,16.519 ccw(c-274.791,17.396) -274.791,16.156 -273.322,16.156 ccw(c-273.322,17.798) -272.161,16.637 cw(c-271.854,16.33) -271.854,16.764 -231.941,16.764 ccw(c-231.941,19.304) -230.145,17.508 -229.443,18.21 -228.236,18.711 -227.982,18.816 -227.727,18.922 -227.076,19.192 -226.949,19.192 -202.557,19.192 ccw(c-202.557,19.7) -202.154,19.391 cw(c-199.649,17.47) -197.145,19.391 ccw(c-196.742,19.7) -196.742,19.192 -193.489,19.192 cw(c-193.489,16.652) -191.693,18.448 -191.524,18.28 -191.297,18.053 ccw(c-189.432,19.923) -191.276,18.032 cw(c-191.631,17.668) -191.261,18.016 ccw(c-189.465,19.812) -189.465,17.272 -189.433,17.272 cw(c-189.432,16.764) -189.339,17.264 ccw(c-189.257,17.71) -189.257,17.256 -187.757,17.256 ccw(c-187.757,17.71) -187.442,17.383 ccw(c-187.757,17.71) -187.305,17.667 cw(c-186.799,17.619) -186.799,18.127 -185.227,18.127 ; C503.2@-9.286,78.74 ccw(c-8.27,78.74) -8.553,77.764 ccw(c-8.411,78.252) -8.411,77.744 -4.27,77.744 cw(c-4.27,75.204) -1.73,75.204 -1.73,57.232 cw(c-4.27,57.232) -4.27,54.692 -7.732,54.692 cw(c-7.732,55.2) -7.879,54.714 ccw(c-8.381,53.065) -8.948,54.693 ccw(c-8.381,53.065) -8.95,54.692 ccw(c-8.381,53.065) -8.95,51.438 cw(c-9.118,50.958) -8.61,50.956 -8.61,49.39
  Bottom Layer w0.508: v1(-40.154,80.259) ccw(c-38.748,81.665) -38.748,79.677 -15.331,79.677 ccw(c-15.331,81.598) -14.856,79.736 ccw(c-14.978,80.229) -14.481,80.125 cw(c-12.3,79.665) -13.409,81.598 cw(c-12.3,79.665) -10.976,81.458 ccw(c-10.674,81.867) -10.674,81.359 v1(-9.35,81.359)
VSYS: BZ501.1 C402.2 D402.2 D517.2 Q401.2 Q501.2 R502.2 R509.1 U402.3 | length 278.6
  Component Side w0.5: v1(-219.075,41.91) -218.409,41.244 ccw(c-216.613,43.04) -216.613,40.5 v1@-36.703,40.5 ; -27.432,57.023 -20.193,57.023 ccw(c-20.193,58.508) -19.143,57.458 -17.841,58.76 cw(c-17.802,58.76) Q501.2@-17.83,58.787 ; v1(-27.305,51.562) -27.305,51.911 ccw(c-27.805,51.913) -27.431,52.245 cw(c-27.095,52.544) -27.545,52.544 -27.545,57.71 cw(c-25.005,57.71) -26.801,59.506 Q401.2@-24.778,61.529 ; Q501.2@-17.841,59.112 Q501.2@-17.841,58.985 cw(c-16.755,58.985) -17.714,59.494 cw(c-16.755,58.985) -16.755,60.071 ccw(c-16.755,61.889) -15.47,60.603 -14.826,61.247 cw(c-13.03,59.451) -13.405,61.963 cw(c-13.03,59.451) -13.03,61.991 C402.2@-12.446,61.991 ; C402.2@-12.446,62.033 U402.3@-9.525,62.033 -8.929,62.629 cw(c-7.133,60.833) -7.133,63.373 D402.2@-6.35,63.373
  Component Side w0.508: BZ501.1@-241.966,36.195 -241.966,33.23 ccw(c-239.426,33.23) -241.222,31.434 D517.2@-238.871,29.083 ccw(c-237.949,28.161) -239.253,28.161 v1(-239.253,27.305) R509.1@-237.886,27.305
  Bottom Layer w0.5: v1(-239.253,27.305) -239.253,38.354 cw(c-236.713,38.354) -236.713,40.894 -221.143,40.894 ccw(c-221.143,43.434) -219.347,41.638 v1(-219.075,41.91) ; v1@-36.322,40.513 -33.655,40.513 ccw(c-33.655,43.053) -31.115,43.053 -31.115,45.303 cw(c-28.575,45.303) -30.371,47.099 -27.305,50.165 v1(-27.305,51.562)
  other v1: -36.703,40.513
pads on no net: CON301. CON301.A8 CON301.B8 CON304.0 CON304.6 D301.1 D301.6 D516.2 FID1.0 FID2.0 FID3.0 FID4.0 S201. S202. S203. S204. S205. S206. S207. S208. S209. S210. S211. S212. S213. S214. S215. S216. S217. S218. S219. S220. S221. S222. S223. S224. S225. S226. S227. S228. S229. S230. S231. S232. S233. S234. S235. S236. S237. S238. S239. S240. S241. S242. S243. S244. S245. S246. S247. S248. S249. S250. S251. S252. S253. S254. S255. S256. S257. S258. S259. S260. S261. S262. S263. S264. S265. S266. S267. SW301. SW301.3 U501. U501.M
copper on no net: | length 1
  Component Side w0.203: -120.75,9.75 -119.761,9.75

## Polygon pours and split planes (outlines as drawn)
GND on Bottom Layer "Component Side-No Net" (solid, remove dead copper, shelved, pour order 4): -0.635,93.995 -0.635,0.65 -284.48,0.65 -284.48,93.995
GND on Component Side "Component Side-No Net" (solid, remove dead copper, shelved, pour order 8): -0.635,93.995 -0.635,0.65 -284.48,0.65 -284.48,93.995

## Other copper
Component Side:
  pour cut-out: -150.114,-0.762 ccw(c-149.987,-0.762) -149.987,-0.889 -77.597,-0.889 ccw(c-77.597,-0.762) -77.47,-0.762 -77.47,5.842 ccw(c-78.867,5.842) -78.867,7.239 -148.717,7.239 ccw(c-148.717,5.842) -150.114,5.842
Bottom Layer:
  pour cut-out: -150.114,-0.762 ccw(c-149.987,-0.762) -149.987,-0.889 -77.597,-0.889 ccw(c-77.597,-0.762) -77.47,-0.762 -77.47,5.842 ccw(c-78.867,5.842) -78.867,7.239 -148.717,7.239 ccw(c-148.717,5.842) -150.114,5.842

## Silkscreen, mask and mechanical layers (free items; w line width, h text height)
Top Overlay:
  drawing of 18 lines, arcs and shapes, not listed
  text "ROT A" at -265.176,83.312 h0.75 r270
  text "ROT C" at -262.636,83.312 h0.75 r270
  text "ROT B" at -260.096,83.312 h0.75 r270
  text "ROT SW" at -264.16,72.898 h0.75
  text "+" at -50.071,61.364 h1.54 r270
  text "+" at -62.968,58.988 h1.5
  text "3.7V LiPo" at -50.673,57.658 h1.3
  text "-" at -63.018,56.488 h1.5
  text "-" at -49.817,54.76 h1.54
  text "BAT" at -57.277,54.483 h0.75
  text "ON  | OFF" at -30.099,50.022 h0.75 r270
  text "Pull up to / connect battery" at -31.75,38.354 h0.75
  text "1: DIO - 2: 3V3 / 3: RST - 4: CLK / 5: GND - 6: NC" at -154.813,22.098 h0.75
  text "2" at -161.671,21.336 h0.75
  text "6" at -159.131,21.336 h0.75
  text "JLCJLCJLCJLC" at -112.141,20.447 h1.2 r270
  text "1" at -162.814,15.494 h0.75
  text "5" at -159.004,15.367 h0.75
  text "DIO" at -168.783,5.842 h0.75 r270
  text "CLK" at -166.37,5.842 h0.75 r270
  text "RST" at -163.83,5.842 h0.75 r270
  text "GND" at -161.29,5.842 h0.75 r270
  text "3V3" at -172.212,3.937 h0.75
  text "cyber60" at -143.147,3.374 h5
  text "SMK" at -127,3.302 h2
  text "Rev B2" at -143.129,1.27 h2
  text "by 4pplet" at -132.588,1.27 h2
Bottom Overlay:
  lines w0.2: -264.668,76.708 -264.668,74.168 -259.588,74.168 -259.588,76.708 ; -265.938,76.708 -258.318,76.708 -258.318,79.248 -265.938,79.248 -265.938,76.708 ; -172.339,0.762 -159.639,0.762 -159.639,3.302 -172.339,3.302 -172.339,0.762 ; -53.848,56.261 -53.848,60.452 -50.8,60.452 -50.8,60.071 -50.8,56.261 -53.848,56.261
  text "ROT A" at -264.414,83.312 h0.75 r90
  text "ROT C" at -261.874,83.312 h0.75 r90
  text "ROT B" at -259.334,83.312 h0.75 r90
  text "ROT SW" at -259.969,72.898 h0.75
  text "+" at -55.221,58.623 h1.5
  text "-" at -55.245,56.654 h1.5
  text "BAT" at -51.435,54.991 h0.75
  text "DIO" at -168.021,5.842 h0.75 r90
  text "CLK" at -165.608,5.842 h0.75 r90
  text "RST" at -163.068,5.842 h0.75 r90
  text "GND" at -160.528,5.842 h0.75 r90
  text "3V3" at -170.18,3.937 h0.75
outline:
  lines w0.1: -131.361,94.414 ccw(c-128.211,95.149) -125.061,94.415 ; -131.361,94.415 -182.809,94.415 cw(c-185.924,95.339) -185.925,92.09 -186.179,92.09 ccw(c-186.18,91.366) -186.692,91.878 cw(c-189.125,94.471) -192.625,93.844 ccw(c-193.195,93.845) -193.196,94.415 -222.695,94.415 ccw(c-222.696,93.845) -223.266,93.844 cw(c-228.225,94.614) -233.184,93.844 ccw(c-233.754,93.845) -233.755,94.415 -243.178,94.415 ccw(c-243.179,93.845) -243.749,93.844 cw(c-247.249,94.471) -250.749,93.844 ccw(c-251.319,93.845) -251.32,94.415 -269.659,94.415 cw(c-272.775,95.341) -275.891,94.415 -282.85,94.415 ccw(c-282.849,92.414) -284.85,92.415 -284.85,39.215 -284.85,39.04 -280.759,39.04 cw(c-280.759,37.79) -280.759,36.54 -284.85,36.54 -284.85,2.215 ccw(c-282.849,2.216) -282.85,0.215 -275.891,0.215 cw(c-272.776,-0.709) -272.775,2.54 -269.318,2.54 ccw(c-269.319,3.455) -268.672,2.808 cw(c-266.3,0.158) -262.799,0.786 ccw(c-262.229,0.785) -262.228,0.215 -240.884,0.215 ccw(c-240.885,0.772) -240.328,0.771 cw(c-235.369,0.001) -230.41,0.771 ccw(c-229.853,0.772) -229.854,0.215 -193.196,0.215 ccw(c-193.195,0.785) -192.625,0.786 cw(c-189.125,0.16) -186.682,2.743 ccw(c-186.19,3.237) -186.193,2.54 -185.925,2.54 cw(c-185.924,-0.709) -182.809,0.215 -102.203,0.215 ; -125.061,94.415 -102.191,94.415 ccw(c-99.076,95.339) -99.075,92.09 -98.849,92.09 cw(c-98.85,91.29) -98.285,91.856 ccw(c-95.875,94.471) -92.375,93.844 cw(c-91.805,93.845) -91.804,94.415 -62.305,94.415 cw(c-62.304,93.845) -61.734,93.844 ccw(c-56.775,94.615) -51.816,93.844 cw(c-51.246,93.845) -51.245,94.415 -41.822,94.415 cw(c-41.821,93.845) -41.251,93.844 ccw(c-37.751,94.471) -34.251,93.844 cw(c-33.681,93.845) -33.68,94.415 -13.341,94.415 ccw(c-10.225,95.341) -7.109,94.415 -2.15,94.415 cw(c-2.151,92.414) -0.15,92.415 -0.15,39.04 -4.241,39.04 ccw(c-4.241,37.79) -4.241,36.54 -0.15,36.54 ; -102.203,0.204 cw(c-99.088,-0.72) -99.087,2.529 -98.833,2.529 ccw(c-98.832,3.253) -98.32,2.741 cw(c-95.875,0.159) -92.375,0.786 ccw(c-91.805,0.785) -91.804,0.215 -55.146,0.215 ccw(c-55.147,0.772) -54.59,0.771 cw(c-49.631,0.001) -44.672,0.771 ccw(c-44.115,0.772) -44.116,0.215 -22.772,0.215 ccw(c-22.771,0.785) -22.201,0.786 cw(c-18.701,0.16) -16.234,2.72 ccw(c-15.799,3.155) -15.8,2.54 -12.225,2.54 cw(c-12.224,-0.709) -9.109,0.215 -2.15,0.215 ccw(c-2.151,2.216) -0.15,2.215 -0.15,36.543
Prophet:
  drawing of 455 lines, arcs and shapes, not listed
  text "PROPHET" at -20.347,93.6 h0.5
Plain60 - Flex:
  drawing of 558 lines, arcs and shapes, not listed
  text "PLAIN60" at -19.839,93.6 h0.5
Voyager60:
  drawing of 1064 lines, arcs and shapes, not listed
  text "VOYAGER60" at -20.474,93.6 h0.5
ArcticPCB:
  drawing of 445 lines, arcs and shapes, not listed
  text "ARCTICPCB" at -19.966,93.6 h0.5
GH60:
  drawing of 762 lines, arcs and shapes, not listed
  text "GH60" at -19.204,93.6 h0.5
Polaris:
  circle w0.013: c-9.15,85.415 r2.5
  lines w0.013: -22.675,97.915 -14.675,97.915 ; -18.675,96.415 -18.675,97.915 ; -15.65,78.415 -2.65,92.415 ; -284.45,1.715 ccw(c-282.7,1.715) -282.7,-0.035 -2.3,-0.035 ccw(c-2.3,1.715) -0.55,1.715 -0.55,92.915 ccw(c-2.3,92.915) -2.3,94.665 -12.5,94.665 cw(c-12.5,95.665) -13.492,95.54 ccw(c-14.484,95.415) -14.484,96.415 -22.866,96.415 ccw(c-22.866,95.415) -23.858,95.54 cw(c-24.85,95.665) -24.85,94.665 -282.7,94.665 ccw(c-282.7,92.915) -284.45,92.915 -284.45,1.715
  lines w0.1: -18.675,90 -18.675,93
  text "POLARIS" at -20.22,93.6 h0.5
Tsuki:
  drawing of 725 lines, arcs and shapes, not listed
  text "TSUKI" at -18.823,93.6 h0.5

## Dimensions
-0.15,92.415 to -284.85,92.415 on top dimensions
-9.15,0.215 to -7.177,94.415 on top dimensions
-0.15,92.415 to -284.85,92.415 on bot dimensions
-9.15,0.215 to -2.15,94.415 on bot dimensions

## Text inside footprints (layer, text, board x,y; h text height)
CON301: Mechanical 15 "connector edge" at -15.25,95.5 h1 r180
S261: Mehanical 16 "7U" at -208.331,7.365 h1.52 r270; Mehanical 16 "6.25U" at -188.764,5.615 h1.52 r270